# Altium PCB TempdevAmmy0820.PcbDoc (part 2 of 3)
Units mm, origin at the board's own origin, x right, y up, seen from the top; angles counter-clockwise.
Board outline 80.01 x 100.08 mm, 2 copper layers (Top Layer, Bottom Layer); 938 components, 614 nets, 2936 pads, 106 vias.
Unrouted connection lines stored in the file: 2138.
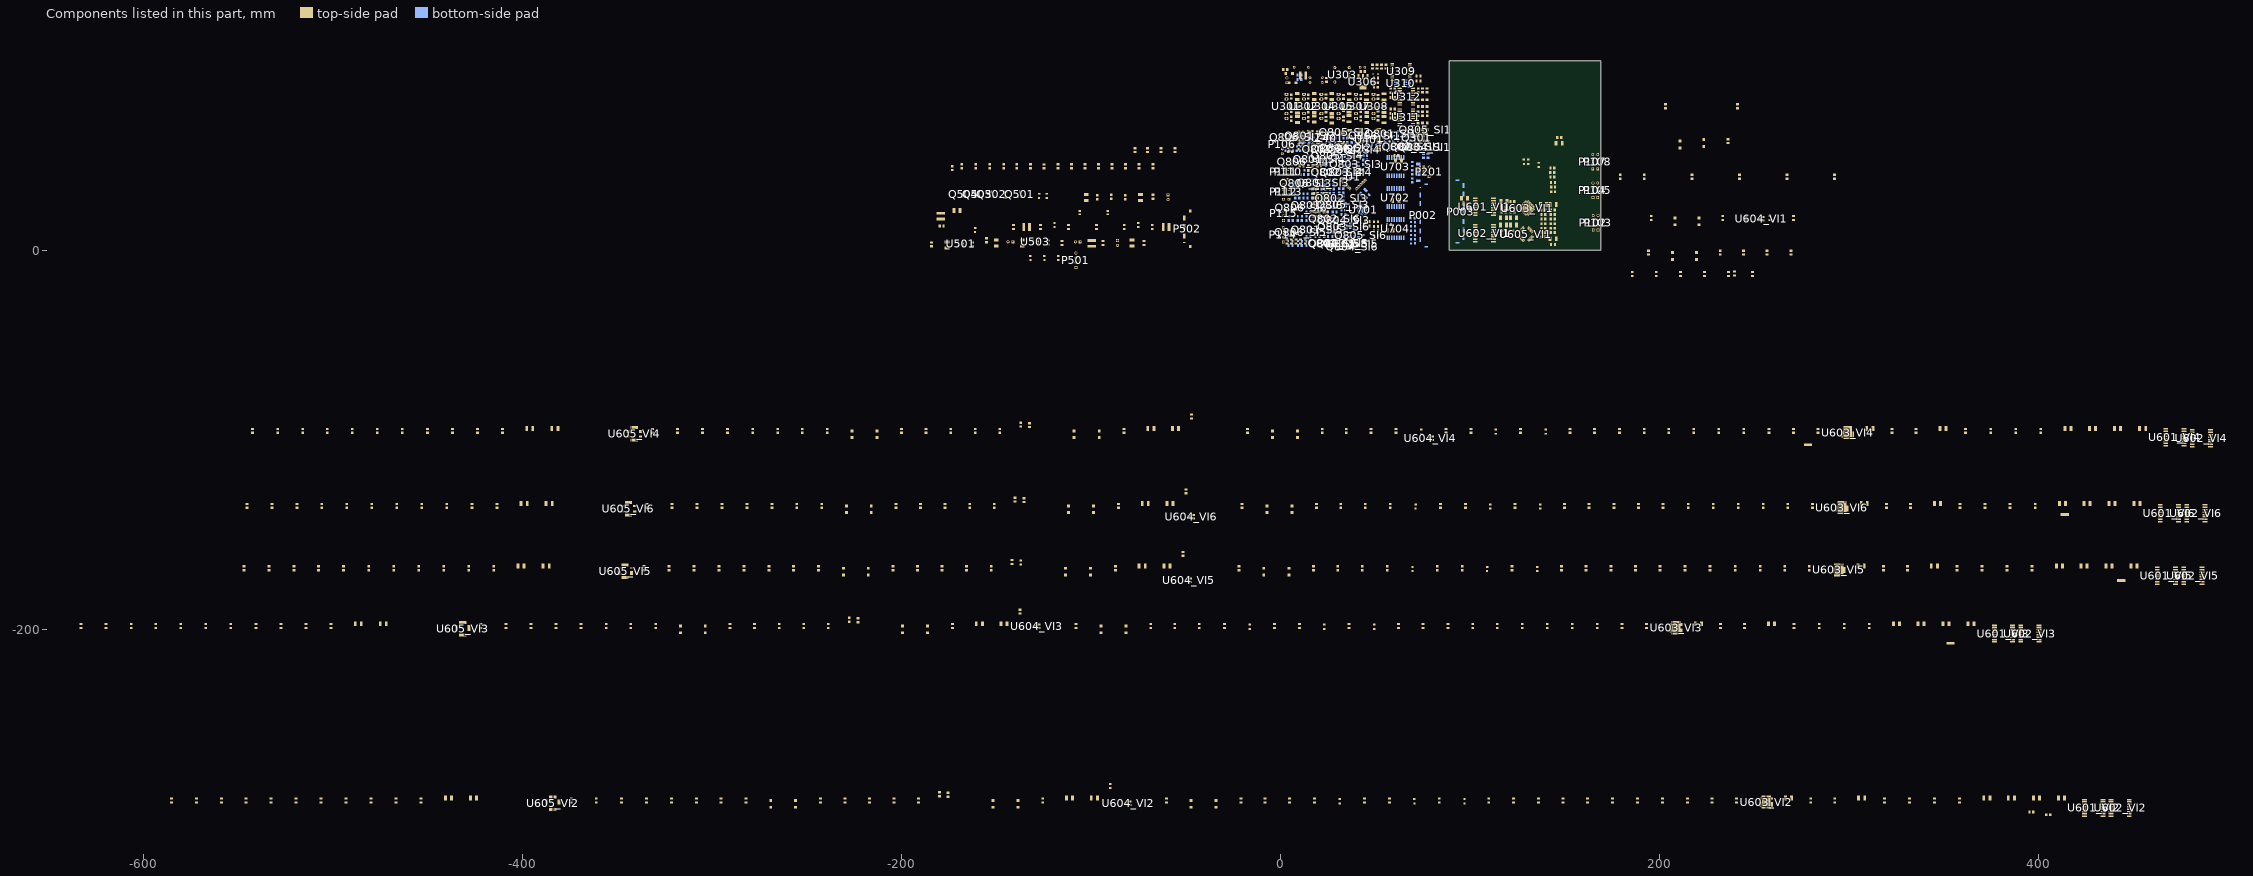
[diagram p2: the components of this part, seen from the top]

## Components (designator, comment, footprint, x,y, rotation, side; value= is the part's Value field where it differs from the comment) (continued)
Q801_SI4 "MMSS8550" SOT-23 21.59,49.083 r270 bottom (schematic designator Q801)
Q801_SI5 "MMSS8550" SOT-23 20.701,11.618 r270 bottom (schematic designator Q801)
Q801_SI6 "MMSS8550" SOT-23 20.701,24.572 r270 bottom (schematic designator Q801)
Q802_SI1 "MMSS8550" SOT-23 68.707,55.499 r270 bottom (schematic designator Q802)
Q802_SI2 "MMSS8550" SOT-23 26.416,54.234 r270 bottom (schematic designator Q802)
Q802_SI3 "MMSS8550" SOT-23 33.147,28.321 r270 bottom (schematic designator Q802)
Q802_SI4 "MMSS8550" SOT-23 31.242,42.098 r270 bottom (schematic designator Q802)
Q802_SI5 "MMSS8550" SOT-23 29.591,4.506 r270 bottom (schematic designator Q802)
Q802_SI6 "MMSS8550" SOT-23 29.972,17.587 r270 bottom (schematic designator Q802)
Q803_SI1 "MMSS8050" SOT-23 73.152,55.433 r270 bottom (schematic designator Q803)
Q803_SI2 "MMSS8050" SOT-23 31.164,54.549 r270 bottom (schematic designator Q803)
Q803_SI3 "MMSS8050" SOT-23 40.816,46.421 r270 bottom (schematic designator Q803)
Q803_SI4 "MMSS8050" SOT-23 35.941,42.098 r270 bottom (schematic designator Q803)
Q803_SI5 "MMSS8050" SOT-23 34.163,4.506 r270 bottom (schematic designator Q803)
Q803_SI6 "MMSS8050" SOT-23 34.544,13.34 r270 bottom (schematic designator Q803)
Q804_SI1 "MMSS8550" SOT-23 77.155,53.037 r180 bottom (schematic designator Q804)
Q804_SI2 "MMSS8550" SOT-23 35.56,54.991 r270 bottom (schematic designator Q804)
Q804_SI3 "MMSS8550" SOT-23 34.593,16.83 r270 bottom (schematic designator Q804)
Q804_SI4 "MMSS8550" SOT-23 40.181,53.914 r270 bottom (schematic designator Q804)
Q804_SI5 "MMSS8550" SOT-23 29.596,4.567 r180 top (schematic designator Q804)
Q804_SI6 "MMSS8550" SOT-23 38.989,2.794 r270 bottom (schematic designator Q804)
Q805_SI1 "BSS138" SOT-23(SS8050) 77.47,62.484 r180 bottom (schematic designator Q805)
Q805_SI2 "BSS138" SOT-23(SS8050) 35.306,63.119 r270 bottom (schematic designator Q805)
Q805_SI3 "BSS138" SOT-23(SS8050) 34.29,24.897 r270 bottom (schematic designator Q805)
Q805_SI4 "BSS138" SOT-23(SS8050) 31.115,50.678 r270 bottom (schematic designator Q805)
Q805_SI5 "BSS138" SOT-23(SS8050) 36.83,4.445 r270 top (schematic designator Q805)
Q805_SI6 "BSS138" SOT-23(SS8050) 41.148,6.985 r90 bottom (schematic designator Q805)
Q806_SI1 "Si1024X" SOT563 49.268,61.125 r270 bottom (schematic designator Q806)
Q806_SI2 "Si1024X" SOT563 7.485,60.414 r270 bottom (schematic designator Q806)
Q806_SI3 "Si1024X" SOT563 12.954,35.979 r270 bottom (schematic designator Q806)
Q806_SI4 "Si1024X" SOT563 11.43,47.371 r270 bottom (schematic designator Q806)
Q806_SI5 "Si1024X" SOT563 10.295,10.325 r270 bottom (schematic designator Q806)
Q806_SI6 "Si1024X" SOT563 10.541,23.152 r270 bottom (schematic designator Q806)
R201 "RC0805JR-000KL" 0805R 50.435,14.986 r180 top value=0R
R202 "RC0805JR-07120RL" 0805R 50.435,12.573 r180 top value=120
R203 "RC0805JR-0710KL" 0805R 45.847,12.7 r180 top value=10K
R204 "RC0805JR-0720RL" 0805R 74.676,43.942 r180 top value=20
R205 "RC0805JR-0720RL" 0805R 74.676,41.402 r180 top value=20
R206 "RC0805JR-0710KL" 0805R 20.431,46.863 r0 top value=10K
R207 "RC0805JR-0710KL" 0805R 15.748,42.037 r180 top value=10K
R208 "RC0805JR-0710KL" 0805R 15.764,44.45 r180 top value=10K
R209 "RC0805JR-0710KL" 0805R 20.431,42.037 r0 top value=NC
R210 "RC0805JR-0710KL" 0805R 20.431,44.45 r0 top value=NC
R211 "RC0805JR-0710KL" 0805R 15.748,46.863 r180 top value=NC
R212 "RC0805JR-000KL" 0805R 11.16,44.45 r0 top value=0R
R213 "RC0805JR-0710KL" 0805R 69.866,17.018 r180 bottom value=10K
R301 "PNP-200KJBJ26-10R" 0805R 10.049,92.456 r180 bottom value=10
R302 "PNP-200KJBJ26-10R" 0805R 10.049,90.043 r180 bottom value=10
R303 "10D470K" 10D470K 10.989,96.52 r180 bottom
R304 "RC0805JR-071KL" 0805R 68.199,87.106 r90 bottom value=1K
R305 "RC0805JR-07470RL" 0805R 61.976,83.566 r0 bottom value=470
R306 "RC0805JR-071KL" 0805R 72.644,72.009 r270 top value=1K
R307 "RC0805JR-071KL" 0805R 75.057,72.009 r270 top value=1K
R308 "RC0805JR-071KL" 0805R 77.47,72.009 r270 top value=1K
R309 "RC0805JR-071KL" 0805R 72.771,84.328 r270 top value=1K
R310 "RC0805JR-071KL" 0805R 75.057,84.328 r270 top value=1K
R311 "RC0805JR-071KL" 0805R 77.343,84.328 r270 top value=1K
R312 "RC0805JR-074700RL" 0805R 59.325,74.549 r180 top value=4.7K
R313 "RC0805JR-074700RL" 0805R 59.325,72.136 r180 top value=4.7K
R314 "RC0805JR-0710KL" 0805R 71.12,54.61 r90 top value=10K
R315 "RC0805JR-074700RL" 0805R 59.325,69.723 r180 top value=4.7K
R316 "RC0805JR-074700RL" 0805R 59.309,85.471 r180 top value=4.7K
R317 "RC0805JR-071KL" 0805R 76.454,60.706 r0 top value=1K
R318 "RC0805JR-071KL" 0805R 76.454,58.293 r180 top value=1K
R319 "RC0805JR-074700RL" 0805R 59.325,83.058 r180 top value=4.7K
R320 "RC0805JR-074700RL" 0805R 59.325,80.645 r180 top value=4.7K
R401 "RC0805JR-0710KL" 0805R 10.668,60.325 r0 top value=10K
R402 "RC0805JR-0720RL" 0805R 15.748,62.611 r180 top value=20
R403 "" 0805R 10.652,55.753 r0 top value=3.9K
R404 "RC0805JR-0720RL" 0805R 15.732,60.325 r0 top value=20
R405 "RC0805JR-0710KL" 0805R 15.764,55.626 r180 top value=10K
R501 "0805L075" 0805R -140.82,12.225 r270 top value=PTC
R502 "" 0805R -126.596,12.225 r270 top value=NC
R503 "RC0805JR-0720RL" 0805R -111.864,12.225 r270 top value=20
R504 "RC0805JR-0720RL" 0805R -97.132,12.225 r270 top value=20
R505 "" 0805R -82.4,12.225 r270 top value=1.5K
R506 "0805L075" 0805R -67.668,12.225 r270 top value=PTC
R507 "RC0805JR-0710KL" 0805R -74.676,44.323 r90 top value=10K
R508 "RC0805JR-0710KL" 0805R -67.31,44.323 r90 top value=10K
R509 "RC0805JR-0710KL" 0805R -55.626,52.832 r270 top value=10K
R510 "RC0805JR-0710KL" 0805R -62.992,52.832 r270 top value=10K
R511 "RC0805JR-0710KL" 0805R -70.104,52.832 r270 top value=10K
R512 "RC0805JR-0710KL" 0805R -76.708,52.832 r270 top value=10K
R513 "RC0805JR-0710KL" 0805R -103.124,44.323 r90 top value=10K
R514 "RC0805JR-0710KL" 0805R -96.012,44.323 r90 top value=10K
R515 "RC0805JR-0710KL" 0805R -88.9,44.323 r90 top value=10K
R516 "RC0805JR-0710KL" 0805R -81.788,44.323 r90 top value=10K
R517 "RC0805JR-07120RL" 0805R -110.236,44.323 r90 top value=120
R518 "RC0805JR-0710KL" 0805R -117.348,44.323 r90 top value=10K
R519 "RC0805JR-07120RL" 0805R -131.826,44.323 r90 top value=120
R520 "RC0805JR-0710KL" 0805R -139.192,44.323 r90 top value=10K
R521 "RC0805JR-07120RL" 0805R -146.05,44.323 r90 top value=120
R522 "RC0805JR-0710KL" 0805R -153.416,44.323 r90 top value=10K
R523 "RC0805JR-07120RL" 0805R -160.782,44.323 r90 top value=120
R524 "RC0805JR-0710KL" 0805R -168.148,44.323 r90 top value=10K
R525 "" 0805R -162.56,3.048 r90 top value=150k
R526 "" 0805R -184.15,3.048 r90 top value=51k
R527 "RC0805JR-0720RL" 0805R -67.183,28.194 r90 top value=51R
R528 "RC0805JR-0720RL" 0805R -89.281,28.194 r90 top value=560k
R529 "" 0805R -122.555,4.064 r90 top value=127k
R530 "" 0805R -173.228,43.307 r90 top value=13.3k
R601_VI1 "RC0805JR-0710KL" 0805R 241.173,75.93 r90 top value=10K (schematic designator R601)
R601_VI2 "RC0805JR-0710KL" 0805R 227.838,-290.449 r90 top value=10K (schematic designator R601)
R601_VI3 "RC0805JR-0710KL" 0805R 180.213,-198.374 r90 top value=10K (schematic designator R601)
R601_VI4 "RC0805JR-0710KL" 0805R 270.739,-95.377 r90 top value=10K (schematic designator R601)
R601_VI5 "RC0805JR-0710KL" 0805R 266.192,-167.894 r90 top value=10K (schematic designator R601)
R601_VI6 "RC0805JR-0710KL" 0805R 267.802,-134.94 r90 top value=10K (schematic designator R601)
R602_VI1 "RC0805JR-000KL" 0805R 143.907,30.861 r180 top value=0R (schematic designator R602)
R602_VI2 "RC0805JR-000KL" 0805R 201.676,-290.449 r90 top value=0R (schematic designator R602)
R602_VI3 "RC0805JR-000KL" 0805R 154.051,-198.374 r90 top value=0R (schematic designator R602)
R602_VI4 "RC0805JR-000KL" 0805R 244.577,-95.377 r90 top value=0R (schematic designator R602)
R602_VI5 "RC0805JR-000KL" 0805R 240.03,-167.894 r90 top value=0R (schematic designator R602)
R602_VI6 "RC0805JR-000KL" 0805R 241.64,-134.94 r90 top value=0R (schematic designator R602)
R603_VI1 "RC0805JR-073KL" 0805R 203.327,75.93 r90 top value=13.7K (schematic designator R603)
R603_VI2 "RC0805JR-073KL" 0805R 188.468,-290.449 r90 top value=13.7K (schematic designator R603)
R603_VI3 "RC0805JR-073KL" 0805R 140.843,-198.374 r90 top value=13.7K (schematic designator R603)
R603_VI4 "RC0805JR-073KL" 0805R 231.369,-95.377 r90 top value=13.7K (schematic designator R603)
R603_VI5 "RC0805JR-073KL" 0805R 226.822,-167.894 r90 top value=13.7K (schematic designator R603)
R603_VI6 "RC0805JR-073KL" 0805R 228.432,-134.94 r90 top value=13.7K (schematic designator R603)
R604_VI1 "RC0805JR-000KL" 0805R 292.354,38.719 r90 top value=0R (schematic designator R604)
R604_VI2 "RC0805JR-000KL" 0805R 162.052,-290.449 r90 top value=0R (schematic designator R604)
R604_VI3 "RC0805JR-000KL" 0805R 114.427,-198.374 r90 top value=0R (schematic designator R604)
R604_VI4 "RC0805JR-000KL" 0805R 204.953,-95.377 r90 top value=0R (schematic designator R604)
R604_VI5 "RC0805JR-000KL" 0805R 200.406,-167.894 r90 top value=0R (schematic designator R604)
R604_VI6 "RC0805JR-000KL" 0805R 202.016,-134.94 r90 top value=0R (schematic designator R604)
R605_VI1 "RC0805JR-000KL" 0805R 143.526,43.434 r180 top value=0R (schematic designator R605)
R605_VI2 "RC0805JR-000KL" 0805R 122.936,-290.449 r90 top value=0R (schematic designator R605)
R605_VI3 "RC0805JR-000KL" 0805R 75.311,-198.374 r90 top value=0R (schematic designator R605)
R605_VI4 "RC0805JR-000KL" 0805R 165.837,-95.377 r90 top value=0R (schematic designator R605)
R605_VI5 "RC0805JR-000KL" 0805R 161.29,-167.894 r90 top value=0R (schematic designator R605)
R605_VI6 "RC0805JR-000KL" 0805R 162.9,-134.94 r90 top value=0R (schematic designator R605)
R606_VI1 "" 0805R 217.17,38.719 r90 top value=10R (schematic designator R606)
R606_VI2 "" 0805R 83.82,-290.449 r90 top value=10R (schematic designator R606)
R606_VI3 "" 0805R 36.195,-198.374 r90 top value=10R (schematic designator R606)
R606_VI4 "" 0805R 126.721,-95.377 r90 top value=10R (schematic designator R606)
R606_VI5 "" 0805R 122.174,-167.894 r90 top value=10R (schematic designator R606)
R606_VI6 "" 0805R 123.784,-134.94 r90 top value=10R (schematic designator R606)
R607_VI1 "RC0805JR-074700RL" 0805R 179.324,38.719 r90 top value=4.7K (schematic designator R607)
R607_VI2 "RC0805JR-074700RL" 0805R 44.45,-290.449 r90 top value=4.7K (schematic designator R607)
R607_VI3 "RC0805JR-074700RL" 0805R -3.175,-198.374 r90 top value=4.7K (schematic designator R607)
R607_VI4 "RC0805JR-074700RL" 0805R 87.351,-95.377 r90 top value=4.7K (schematic designator R607)
R607_VI5 "RC0805JR-074700RL" 0805R 82.804,-167.894 r90 top value=4.7K (schematic designator R607)
R607_VI6 "RC0805JR-074700RL" 0805R 84.414,-134.94 r90 top value=4.7K (schematic designator R607)
R608_VI1 "RC0805JR-071KL" 0805R 269.494,-1.286 r90 top value=1K (schematic designator R608)
R608_VI2 "RC0805JR-071KL" 0805R 18.034,-290.449 r90 top value=1K (schematic designator R608)
R608_VI3 "RC0805JR-071KL" 0805R -29.591,-198.374 r90 top value=1K (schematic designator R608)
R608_VI4 "RC0805JR-071KL" 0805R 60.935,-95.377 r90 top value=1K (schematic designator R608)
R608_VI5 "RC0805JR-071KL" 0805R 56.388,-167.894 r90 top value=1K (schematic designator R608)
R608_VI6 "RC0805JR-071KL" 0805R 57.998,-134.94 r90 top value=1K (schematic designator R608)
R609_VI1 "RC0805JR-071KL" 0805R 256.794,-1.286 r90 top value=1K (schematic designator R609)
R609_VI2 "RC0805JR-071KL" 0805R 4.826,-290.449 r90 top value=1K (schematic designator R609)
R609_VI3 "RC0805JR-071KL" 0805R -42.799,-198.374 r90 top value=1K (schematic designator R609)
R609_VI4 "RC0805JR-071KL" 0805R 47.727,-95.377 r90 top value=1K (schematic designator R609)
R609_VI5 "RC0805JR-071KL" 0805R 43.18,-167.894 r90 top value=1K (schematic designator R609)
R609_VI6 "RC0805JR-071KL" 0805R 44.79,-134.94 r90 top value=1K (schematic designator R609)
R610_VI1 "RC0805JR-071KL" 0805R 244.348,-1.286 r90 top value=1K (schematic designator R610)
R610_VI2 "RC0805JR-071KL" 0805R -8.128,-290.449 r90 top value=1K (schematic designator R610)
R610_VI3 "RC0805JR-071KL" 0805R -55.753,-198.374 r90 top value=1K (schematic designator R610)
R610_VI4 "RC0805JR-071KL" 0805R 34.773,-95.377 r90 top value=1K (schematic designator R610)
R610_VI5 "RC0805JR-071KL" 0805R 30.226,-167.894 r90 top value=1K (schematic designator R610)
R610_VI6 "RC0805JR-071KL" 0805R 31.836,-134.94 r90 top value=1K (schematic designator R610)
R611_VI1 "RC0805JR-071KL" 0805R 232.156,-1.286 r90 top value=1K (schematic designator R611)
R611_VI2 "RC0805JR-071KL" 0805R -20.828,-290.449 r90 top value=1K (schematic designator R611)
R611_VI3 "RC0805JR-071KL" 0805R -68.453,-198.374 r90 top value=1K (schematic designator R611)
R611_VI4 "RC0805JR-071KL" 0805R 22.073,-95.377 r90 top value=1K (schematic designator R611)
R611_VI5 "RC0805JR-071KL" 0805R 17.526,-167.894 r90 top value=1K (schematic designator R611)
R611_VI6 "RC0805JR-071KL" 0805R 19.136,-134.94 r90 top value=1K (schematic designator R611)
R612_VI1 "RC0805JR-073KL" 0805R 194.31,-1.286 r90 top value=3K (schematic designator R612)
R612_VI2 "RC0805JR-073KL" 0805R -60.198,-290.449 r90 top value=3K (schematic designator R612)
R612_VI3 "RC0805JR-073KL" 0805R -107.823,-198.374 r90 top value=3K (schematic designator R612)
R612_VI4 "RC0805JR-073KL" 0805R -17.297,-95.377 r90 top value=3K (schematic designator R612)
R612_VI5 "RC0805JR-073KL" 0805R -21.844,-167.894 r90 top value=3K (schematic designator R612)
R612_VI6 "RC0805JR-073KL" 0805R -20.234,-134.94 r90 top value=3K (schematic designator R612)
R613_VI1 "RC0805JR-000KL" 0805R 236.22,57.579 r90 top value=0R (schematic designator R613)
R613_VI2 "RC0805JR-000KL" 0805R -125.476,-290.449 r90 top value=0R (schematic designator R613)
R613_VI3 "RC0805JR-000KL" 0805R -173.101,-198.374 r90 top value=0R (schematic designator R613)
R613_VI4 "RC0805JR-000KL" 0805R -82.575,-95.377 r90 top value=0R (schematic designator R613)
R613_VI5 "RC0805JR-000KL" 0805R -87.122,-167.894 r90 top value=0R (schematic designator R613)
R613_VI6 "RC0805JR-000KL" 0805R -85.512,-134.94 r90 top value=0R (schematic designator R613)
R614_VI1 "RC0805JR-000KL" 0805R 117.856,22.606 r180 top value=0R (schematic designator R614)
R614_VI2 "RC0805JR-000KL" 0805R -191.008,-290.449 r90 top value=0R (schematic designator R614)
R614_VI3 "RC0805JR-000KL" 0805R -238.633,-198.374 r90 top value=0R (schematic designator R614)
R614_VI4 "RC0805JR-000KL" 0805R -148.107,-95.377 r90 top value=0R (schematic designator R614)
R614_VI5 "RC0805JR-000KL" 0805R -152.654,-167.894 r90 top value=0R (schematic designator R614)
R614_VI6 "RC0805JR-000KL" 0805R -151.044,-134.94 r90 top value=0R (schematic designator R614)
R615_VI1 "RC0805JR-073KL" 0805R 258.318,17.002 r90 top value=3K (schematic designator R615)
R615_VI2 "RC0805JR-073KL" 0805R -216.916,-290.449 r90 top value=3K (schematic designator R615)
R615_VI3 "RC0805JR-073KL" 0805R -264.541,-198.374 r90 top value=3K (schematic designator R615)
R615_VI4 "RC0805JR-073KL" 0805R -174.015,-95.377 r90 top value=3K (schematic designator R615)
R615_VI5 "RC0805JR-073KL" 0805R -178.562,-167.894 r90 top value=3K (schematic designator R615)
R615_VI6 "RC0805JR-073KL" 0805R -176.952,-134.94 r90 top value=3K (schematic designator R615)
R616_VI1 "RC0805JR-0710KL" 0805R 270.764,17.002 r90 top value=10K (schematic designator R616)
R616_VI2 "RC0805JR-0710KL" 0805R -203.962,-290.449 r90 top value=10K (schematic designator R616)
R616_VI3 "RC0805JR-0710KL" 0805R -251.587,-198.374 r90 top value=10K (schematic designator R616)
R616_VI4 "RC0805JR-0710KL" 0805R -161.061,-95.377 r90 top value=10K (schematic designator R616)
R616_VI5 "RC0805JR-0710KL" 0805R -165.608,-167.894 r90 top value=10K (schematic designator R616)
R616_VI6 "RC0805JR-0710KL" 0805R -163.998,-134.94 r90 top value=10K (schematic designator R616)
R617_VI1 "RC0805JR-000KL" 0805R 245.872,17.002 r90 top value=0R (schematic designator R617)
R617_VI2 "RC0805JR-000KL" 0805R -229.87,-290.449 r90 top value=0R (schematic designator R617)
R617_VI3 "RC0805JR-000KL" 0805R -277.495,-198.374 r90 top value=0R (schematic designator R617)
R617_VI4 "RC0805JR-000KL" 0805R -186.969,-95.377 r90 top value=0R (schematic designator R617)
R617_VI5 "RC0805JR-000KL" 0805R -191.516,-167.894 r90 top value=0R (schematic designator R617)
R617_VI6 "RC0805JR-000KL" 0805R -189.906,-134.94 r90 top value=0R (schematic designator R617)
R618_VI1 "RC0805JR-0710KL" 0805R 233.426,17.002 r90 top value=10K (schematic designator R618)
R618_VI2 "RC0805JR-0710KL" 0805R -242.824,-290.449 r90 top value=10K (schematic designator R618)
R618_VI3 "RC0805JR-0710KL" 0805R -290.449,-198.374 r90 top value=10K (schematic designator R618)
R618_VI4 "RC0805JR-0710KL" 0805R -199.923,-95.377 r90 top value=10K (schematic designator R618)
R618_VI5 "RC0805JR-0710KL" 0805R -204.47,-167.894 r90 top value=10K (schematic designator R618)
R618_VI6 "RC0805JR-0710KL" 0805R -202.86,-134.94 r90 top value=10K (schematic designator R618)
R619_VI1 "RC0805JR-000KL" 0805R 195.707,17.002 r90 top value=0R (schematic designator R619)
R619_VI2 "RC0805JR-000KL" 0805R -282.067,-290.449 r90 top value=0R (schematic designator R619)
R619_VI3 "RC0805JR-000KL" 0805R -329.692,-198.374 r90 top value=0R (schematic designator R619)
R619_VI4 "RC0805JR-000KL" 0805R -239.166,-95.377 r90 top value=0R (schematic designator R619)
R619_VI5 "RC0805JR-000KL" 0805R -243.713,-167.894 r90 top value=0R (schematic designator R619)
R619_VI6 "RC0805JR-000KL" 0805R -242.103,-134.94 r90 top value=0R (schematic designator R619)
R620_VI1 "RC0805JR-0710KL" 0805R 239.649,-12.335 r90 top value=10K (schematic designator R620)
R620_VI2 "RC0805JR-0710KL" 0805R -295.275,-290.449 r90 top value=10K (schematic designator R620)
R620_VI3 "RC0805JR-0710KL" 0805R -342.9,-198.374 r90 top value=10K (schematic designator R620)
R620_VI4 "RC0805JR-0710KL" 0805R -252.374,-95.377 r90 top value=10K (schematic designator R620)
R620_VI5 "RC0805JR-0710KL" 0805R -256.921,-167.894 r90 top value=10K (schematic designator R620)
R620_VI6 "RC0805JR-0710KL" 0805R -255.311,-134.94 r90 top value=10K (schematic designator R620)
R621_VI1 "RC0805JR-000KL" 0805R 249.174,-12.589 r90 top value=0R (schematic designator R621)
R621_VI2 "RC0805JR-000KL" 0805R -308.229,-290.449 r90 top value=0R (schematic designator R621)
R621_VI3 "RC0805JR-000KL" 0805R -355.854,-198.374 r90 top value=0R (schematic designator R621)
R621_VI4 "RC0805JR-000KL" 0805R -265.328,-95.377 r90 top value=0R (schematic designator R621)
R621_VI5 "RC0805JR-000KL" 0805R -269.875,-167.894 r90 top value=0R (schematic designator R621)
R621_VI6 "RC0805JR-000KL" 0805R -268.265,-134.94 r90 top value=0R (schematic designator R621)
R622_VI1 "RC0805JR-000KL" 0805R 236.474,-12.589 r90 top value=0R (schematic designator R622)
R622_VI2 "RC0805JR-000KL" 0805R -321.437,-290.449 r90 top value=0R (schematic designator R622)
R622_VI3 "RC0805JR-000KL" 0805R -369.062,-198.374 r90 top value=0R (schematic designator R622)
R622_VI4 "RC0805JR-000KL" 0805R -278.536,-95.377 r90 top value=0R (schematic designator R622)
R622_VI5 "RC0805JR-000KL" 0805R -283.083,-167.894 r90 top value=0R (schematic designator R622)
R622_VI6 "RC0805JR-000KL" 0805R -281.473,-134.94 r90 top value=0R (schematic designator R622)
R623_VI1 "RC0805JR-0710KL" 0805R 223.774,-12.589 r90 top value=10K (schematic designator R623)
R623_VI2 "RC0805JR-0710KL" 0805R -334.645,-290.449 r90 top value=10K (schematic designator R623)
R623_VI3 "RC0805JR-0710KL" 0805R -382.27,-198.374 r90 top value=10K (schematic designator R623)
R623_VI4 "RC0805JR-0710KL" 0805R -291.744,-95.377 r90 top value=10K (schematic designator R623)
R623_VI5 "RC0805JR-0710KL" 0805R -296.291,-167.894 r90 top value=10K (schematic designator R623)
R623_VI6 "RC0805JR-0710KL" 0805R -294.681,-134.94 r90 top value=10K (schematic designator R623)
R624_VI1 "RC0805JR-0710KL" 0805R 211.074,-12.589 r90 top value=10K (schematic designator R624)
R624_VI2 "RC0805JR-0710KL" 0805R -347.853,-290.449 r90 top value=10K (schematic designator R624)
R624_VI3 "RC0805JR-0710KL" 0805R -395.478,-198.374 r90 top value=10K (schematic designator R624)
R624_VI4 "RC0805JR-0710KL" 0805R -304.952,-95.377 r90 top value=10K (schematic designator R624)
R624_VI5 "RC0805JR-0710KL" 0805R -309.499,-167.894 r90 top value=10K (schematic designator R624)
R624_VI6 "RC0805JR-0710KL" 0805R -307.889,-134.94 r90 top value=10K (schematic designator R624)
R625_VI1 "RC0805JR-000KL" 0805R 198.374,-12.589 r90 top value=0R (schematic designator R625)
R625_VI2 "RC0805JR-000KL" 0805R -361.061,-290.449 r90 top value=0R (schematic designator R625)
R625_VI3 "RC0805JR-000KL" 0805R -408.686,-198.374 r90 top value=0R (schematic designator R625)
R625_VI4 "RC0805JR-000KL" 0805R -318.16,-95.377 r90 top value=0R (schematic designator R625)
R625_VI5 "RC0805JR-000KL" 0805R -322.707,-167.894 r90 top value=0R (schematic designator R625)
R625_VI6 "RC0805JR-000KL" 0805R -321.097,-134.94 r90 top value=0R (schematic designator R625)
R626_VI1 "RC0805JR-0710KL" 0805R 185.674,-12.589 r90 top value=10K (schematic designator R626)
R626_VI2 "RC0805JR-0710KL" 0805R -374.269,-290.449 r90 top value=10K (schematic designator R626)
R626_VI3 "RC0805JR-0710KL" 0805R -421.894,-198.374 r90 top value=10K (schematic designator R626)
R626_VI4 "RC0805JR-0710KL" 0805R -331.368,-95.377 r90 top value=10K (schematic designator R626)
R626_VI5 "RC0805JR-0710KL" 0805R -335.915,-167.894 r90 top value=10K (schematic designator R626)
R626_VI6 "RC0805JR-0710KL" 0805R -334.305,-134.94 r90 top value=10K (schematic designator R626)
R627_VI1 "" 0805R 138.811,11.557 r0 top value=150K (schematic designator R627)
R627_VI2 "" 0805R -466.725,-290.449 r90 top value=150K (schematic designator R627)
R627_VI3 "" 0805R -514.35,-198.374 r90 top value=150K (schematic designator R627)